# Altium PCB Port Solar Panel 2U.PcbDoc (continued)
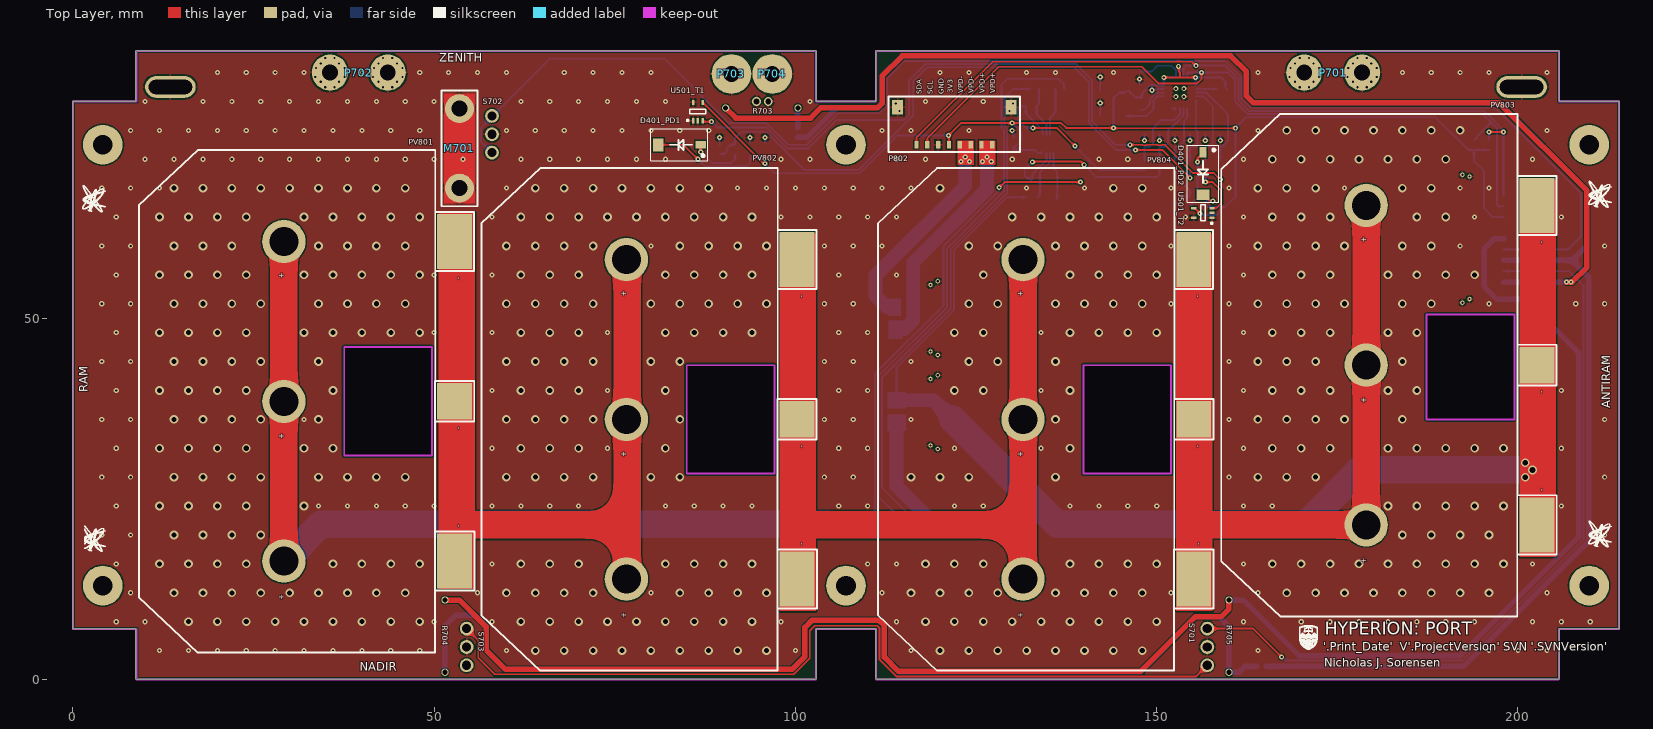
[diagram p0: Top Layer view]
## Part data (continued)
R400_PD1 R400_PD2: library part 17130, "RES SMD 9.09K OHM 1% 1/10W 0603", Manufacturer Part Number=ERJ-3EKF9091V, Power="0.1W, 1/10W", Supplier Part Number 1=P9.09KHCT-ND, Temperature Coefficient=±100ppm/°C, Tolerance=±1%, LatestRevisionDate=29-May-2009, LatestRevisionNote="IPC-7351 Footprint Added.", PackageDescription="Chip Resistor, 2-Leads, Body 1.60x0.80mm, IPC Low Density", PackageReference="0603 (1608 Metric)", Part Number=17130, Published=8-Jun-2000, Publisher="Altium Limited", Supplier 1=Digi-Key, Supplier Link=http://www.digikey.ca/product-search/en?keywords=P9.09KHCT-ND
R401_PD1 R401_PD2: library part 17836, "RES SMD 24K OHM 0.1% 1/10W 0603", Manufacturer Part Number=ERA-3ARB243V, Power="0.1W, 1/10W", Supplier Part Number 1=P24KBDCT-ND, Temperature Coefficient=±10ppm/°C, Tolerance=±0.1%, LatestRevisionDate=29-May-2009, LatestRevisionNote="IPC-7351 Footprint Added.", PackageDescription="Chip Resistor, 2-Leads, Body 1.60x0.80mm, IPC Low Density", PackageReference="0603 (1608 Metric)", Part Number=17836, Published=8-Jun-2000, Publisher="Altium Limited", Supplier 1=Digi-Key, Supplier Link=http://www.digikey.ca/product-search/en?keywords=P24KBDCT-ND
R701 R702: library part 13128, "RES SMD 0.0OHM JUMPER 1/10W 0603", Manufacturer Part Number=ERJ-3GEY0R00V, Power="0.1W, 1/10W", Supplier Part Number 1=P0.0GCT-ND, Temperature Coefficient=-, PackageDescription="Chip Resistor, 2-Leads, Body 1.60x0.80mm, IPC Low Density", PackageReference="0603 (1608 Metric)", Part Number=13128, Supplier 1=Digi-Key, Supplier Link=http://www.digikey.ca/product-search/en?keywords=P0.0GCT-ND, Tolerance=Jumper, Type=Jumper
R703 R704 R705: library part PR-VSH-00317, "21 Ohms ±1% 1W Through Hole Resistor Axial Flame Proof, Moisture Resistant, Safety Metal Film", Manufacturer Part Number=CPF121R000FKEE6, Power - Rated=1W, Supplier Part Number 1=CPF21.0CCT-ND, Temperature Coefficient=±100ppm/°C, Tolerance=±1%, Index=317, LatestRevisionDate=2/27/2020, LatestRevisionNote=..., PackageDescription="Chip Resistor", PackageReference=VSH-CPF1, Part Number=PR-VSH-00317, Published=2/27/2020, Publisher=AlbertaSat, Supplier 1=Digi-key, Supplier Link=#https://www.digikey.ca/product-detail/en/vishay-dale/CPF121R000FKEE6/CPF21.0CCT-ND/2713126#
S701 S702 S703: library part 20035, "SWITCH SNAP ACT SPDT 500MA 30V", Supplier Part Number 1=255-3743-ND, Manufacturer Part Number=AV4424, Part Number=20035, Supplier 1=Digi-Key, Supplier Link=#https://www.digikey.com/product-detail/en/panasonic-electric-works/AV4424/255-3743-ND/646766#
U201: library part PU-ADI-00006, "IC ADC 12BIT SAR 20LFCSP", Manufacturer Part Number=AD7291TCPZ-EP, Supplier Part Number 1=AD7291TCPZ-EP-ND, Index=6, LatestRevisionDate=2019-07-16, LatestRevisionNote=..., PackageDescription="QFN, 20-Leads, Body 4.00x4.00mm, Pitch 0.50mm, Thermal Pad 2.55x2.55mm, IPC Low Density", PackageReference="20-WFQFN Exposed Pad", Part Number=PU-ADI-00006, Published=2019-07-16, Publisher=AlbertaSat, Supplier 1=Digi-key, Supplier 2=Mouser, Supplier Link=#https://www.digikey.ca/products/en?keywords=AD7291TCPZ-EP-ND#, Supplier Part Number 2=584-AD7291TCPZ-EP
U501_T1 U501_T2: library part 136, "LOW-POWER HIGH-ACCURACY ANALOG O", Operating Temperature="-40°C~150°C (TJ)", Supplier Part Number 1=296-TMP235AEDCKRQ1CT-ND, Manufacturer Part Number=TMP235AEDCKRQ1, PackageReference=SC-70-5, Part Number=136, Supplier 1=Digi-Key, Supplier Link=#https://www.digikey.ca/en/products/detail/texas-instruments/TMP235AEDCKRQ1/11308802#

## Free pads (board coordinates)
  oval 7x3 hole 2 slot 6 at 0 deg: 5(13.5,82) 5(200.5,82)
  round 5.5 hole 2.7: CHASSIS(4.15,13) CHASSIS(4.15,74) CHASSIS(107,13) CHASSIS(107,74) CHASSIS(209.85,13) CHASSIS(209.85,74)

## Via types
v1: diameter 1.2, hole 0.7, Top Layer to Bottom Layer, 395 vias
v2: diameter 0.71, hole 0.3, Top Layer to Bottom Layer, tented both sides, 270 vias
v3: diameter 0.7, hole 0.3, Top Layer to Bottom Layer, tented both sides, 52 vias
v4: diameter 0.655, hole 0.3, Top Layer to Bottom Layer, tented both sides, 48 vias
v5: diameter 0.711, hole 0.33, Top Layer to Bottom Layer, tented top, 4 vias
v6: diameter 1.2, hole 0.8, Top Layer to Bottom Layer, tented both sides, 3 vias
v7: diameter 1.2, hole 0.8, Top Layer to Bottom Layer, 2 vias

## Nets (pads, with @x,y where several pads share a name; then routed paths per layer and width w, separated by ;. In a path a pad name is that pad's centre, name@x,y a point inside that pad or via, vN(x,y) a via of type N, cw(c..) or ccw(c..) an arc to the next point about the centre after c; other vN are vias at no path point)
3V3: C203.1 C204.2 C301.2 C401_PD1.2 C401_PD2.2 C501_T1.2 C501_T2.2 D401_PD1.2 D401_PD2.2 OP301.8 P801.7 P802.5 R101.2 R103.2 R104.2 U201.10 U201.11 U201.13 U201.16 U501_T1.4 U501_T2.4 | length 210.8
  Top Layer w0.254: D401_PD1.2 84.5,74 v3(86.5,72) ; U501_T1.4 95.616,71.4 v3(95.8,71.4) ; P802.5 121.25,75.25 v3(121.2,75.3) 122.9,77 v3(130,77) 136.8,77 137.468,76.332 v3(144,76.332) 144.032,76.3 v3(160.9,76.3) ; v3(150.986,83.332) 153.177,83.332 ; v3(153.038,84.863) 153.082,84.82 153.082,84.132 153.209,84.005 153.209,83.364 153.177,83.332 ; U501_T2.4 155.23,65.125 155.375,65.125 v3(156,64.5) ; v3(155.368,83.332) 153.177,83.332 ; D401_PD2.2 156.575,67.071 157.173,66.473 157.173,66.429 157.322,66.28 157.688,66.28 v3(157.768,66.2)
  Bottom Layer w0.254: v3(86.5,72) 87.5,71 93.258,71 93.758,71.5 C401_PD1.2 C501_T1.2@95.836,72.491 ; C501_T1.2 C501_T1.2@95.836,72.491 ; v3(121.2,75.3) 114.139,75.3 108.907,70.068 97.132,70.068 v3(95.8,71.4) 95.8,72.456 C501_T1.2@95.836,72.491 ; v3(130,77) 131.218,75.782 131.218,74.591 130.188,73.561 C301.2 133.119,73.291 133.514,72.896 OP301.8 ; v3(144,76.332) 144,80.422 144.8,81.222 145.556,81.222 C203.1 146.193,81.406 147.043,80.556 C204.2 147.956,80.556 147.956,81.074 149.105,82.222 U201.10 150.986,82.245 v3(150.986,83.332) 152.186,83.332 152.209,83.355 U201.11 ; v3(153.038,84.863) 153.038,84.743 153.209,84.572 U201.13 ; U201.16 155.409,83.291 v3(155.368,83.332) 158.893,83.332 159.512,82.713 R101.2@159.512,81.968 ; v3(156,64.5) 156.121,64.5 156.321,64.3 158.4,64.3 158.812,64.712 C501_T2.2 ; v3(157.768,66.2) 156.873,66.2 156.724,66.051 C401_PD2.2 156.735,65.395 C501_T2.2 ; R101.2 R101.2@159.7,81.7 ; R103.2 R104.2 ; P801.7 197.117,64 197.067,64.05 196.45,64.05 195.3,65.2 195.3,70.4 193.9,71.8 R104.2 ; C501_T2.2 159.512,65.395 160.9,66.784 v3(160.9,76.3) 162.423,77.823 188.577,77.823 193.1,73.3 R104.2
I_buffer_out: OP301.1 R304.2 R310.2 | length 28.1
  Top Layer w0.254: v3(132.854,76.332) 136.188,76.332 v3(138.688,73.832)
  Bottom Layer w0.254: v3(132.854,76.332) 131.877,76.332 130.768,77.441 130.768,78.962 131.14,79.334 R304.2 131.888,78.366 134.238,76.016 OP301.1 ; v3(138.688,73.832) 141.99,70.53 R310.2
NetC201_2: C201.2 U201.8 | length 4.6
  Bottom Layer w0.254: C201.2 148.309,78.856 149.068,79.616 149.068,80.333 149.934,81.199 150.986,81.199 U201.8
NetC202_1: C202.1 U201.7 | length 7.1
  Bottom Layer w0.254: C202.1 148.638,78.006 149.568,78.937 149.568,80.222 150.068,80.722 U201.7
NetD401_PD1_1: D401_PD1.1 R400_PD1.2 | length 7.3
  Top Layer w0.254: v3(86.9,73) D401_PD1.1
  Bottom Layer w0.254: v3(86.9,73) 88.4,71.5 91.152,71.5 91.652,72 R400_PD1.2
NetD401_PD2_1: D401_PD2.1 R400_PD2.2 | length 8.3
  Top Layer w0.254: v3(155.668,71.616) 155.668,72.225 155.816,72.373 156.027,72.373 156.4,72.746 D401_PD2.1
  Bottom Layer w0.254: R400_PD2.2 154.668,65.59 154.916,65.838 154.916,65.888 155.668,66.639 v3(155.668,71.616)
NetOP301_2: OP301.2 R303.2 R304.1 | length 7
  Bottom Layer w0.254: R303.2 133.688,79.634 R304.1 133.388,78.216 134.738,76.866 OP301.2
NetOP301_3: OP301.3 R308.2 R309.1 | length 6.7
  Bottom Layer w0.254: OP301.3 135.238,77.741 135.988,78.491 R308.2
NetOP301_5: OP301.5 R306.2 R307.1 | length 6.7
  Bottom Layer w0.254: OP301.5 135.738,70.741 136.238,70.241 136.238,66.591 R307.1
NetOP301_6: OP301.6 R301.2 R302.1 | length 6.9
  Bottom Layer w0.254: R301.2 133.863,67.095 R302.1 133.863,70.241 135.238,71.616 OP301.6
NetPV801_2: PV801.2 PV802.1 | length 68.2
  Top Layer w3.81: 53,22 53.611,21.389 76.7,21.389 ; PV802.1@76.7,13.625 76.7,21.389 ; PV802.1@76.7,35.735 PV802.1@76.7,35.5 ; PV802.1@76.7,57.611 PV802.1@76.7,35.5 ; 76.7,21.389 PV802.1@76.7,35.5
NetPV802_2: PV802.2 PV804.1 | length 75.5
  Top Layer w3.81: 100.222,21.5 100.333,21.389 131.5,21.389 ; PV804.1@131.5,13.889 131.5,21.389 ; PV804.1@131.5,58.111 131.5,21.389
NetPV803_1: PV803.1 PV804.2 | length 68.4
  Top Layer w3.81: 154.8,21.389 179,21.389 PV803.1@179,65.611
NetR101_1: R101.1 U201.17 | length 2.9
  Bottom Layer w0.254: U201.17 155.418,81.732 R101.1
NetR102_1: R102.1 U201.12 | length 6.3
  Bottom Layer w0.254: R102.1 149.312,84.144 150.1,84.932 152.043,84.932 152.686,84.29 152.686,83.445 U201.12
NetR303_1: R303.1 R305.3 | length 76
  Bottom Layer w0.254: R305.3 118.27,20.23 112,26.5 112,41.8 121.5,51.3 121.5,59.579 129.31,67.389 129.31,76.234 128.95,76.594 128.95,80.54 130.133,81.722 132.476,81.722 R303.1
NetR305_4: R305.4 R308.1 | length 77.9
  Bottom Layer w0.254: R305.4 111.5,25.271 111.5,42.007 121,51.507 121,59.689 128.855,67.544 128.855,76.078 128.518,76.415 128.518,82.351 129.31,83.142 136.388,83.142 137.188,82.342 R308.1
NetR400_PD1_1: R400_PD1.1 R401_PD1.2 R402_PD1.2 | length 88.8
  Top Layer w0.254: v3(147.043,73.291) 150.75,73.291 v3(154.609,69.432)
  Bottom Layer w0.254: R401_PD1.2 90.248,72.748 90.5,73 90.5,73.5 90.997,73.997 R400_PD1.1 91.652,74.952 92.495,75.795 95.991,75.795 98.718,73.068 98.728,73.068 101.296,70.5 108.711,70.5 115.22,77.009 116.3,78.089 116.3,78.216 116.3,80.221 116.3,82.816 118.221,84.737 138.615,84.737 140.6,82.751 140.6,77.029 144.338,73.291 v3(147.043,73.291) ; v3(154.609,69.432) R402_PD1.2
NetR400_PD2_1: R400_PD2.1 R401_PD2.2 R402_PD2.2 | length 7.1
  Bottom Layer w0.254: R402_PD2.2 152.509,69.774 154.618,67.665 R400_PD2.1 154.532,66.804 153.961,66.804 153.072,65.914 152.795,65.914 R401_PD2.2
NetR501_T1_2: R501_T1.2 U501_T1.3 | length 92.3
  Top Layer w0.254: U501_T1.3 87.284,77.2 v3(88.4,77.2) ; v3(146.3,74) 147.974,74 148.037,73.936 148.58,73.936 148.643,74 150.072,74 150.137,73.935 150.68,73.935 150.745,74 151.1,74 155,70.1 157.921,70.1 v3(158.801,69.22)
  Bottom Layer w0.254: v3(88.4,77.2) 89.2,76.4 95.996,76.4 98.896,73.5 101.8,73.5 105.741,77.441 115.041,77.441 115.7,78.1 115.7,80.264 115.7,82.9 117.968,85.168 138.845,85.168 141.068,82.945 141.068,77.223 144.291,74 v3(146.3,74) ; v3(158.801,69.22) R501_T1.2 R501_T1.2@158.851,70.535
NetR501_T2_2: R501_T2.2 U501_T2.3 | length 7.7
  Top Layer w0.254: v3(156.768,68.841) 157.759,68.841 158.9,67.7 158.9,65.9 158.249,65.249 157.693,65.249 U501_T2.3
  Bottom Layer w0.254: R501_T2.2 156.67,70.53 156.768,70.432 v3(156.768,68.841)
NetR701_2: R701.2 R704.2 R705.2 | length 145.4
  Bottom Layer w0.762: R704.2 51.5,7.4 53,8.9 55.6,8.9 57.2,7.3 57.2,4.1 59.9,1.4 99.5,1.4 101.3,3.2 101.3,7.2 102.3,8.2 111.554,8.2 112.3,7.454 112.3,3.084 114.284,1.1 147.8,1.1 155.4,8.7 158.6,8.7 160,7.3 R705.2 161.4,1 162.2,1.8 R701.2
NetR702_2: R702.2 R703.2 | length 2.9
  Bottom Layer w0.254: R702.2@100.3,76.4 R702.2@100.4,76.3
  Bottom Layer w0.762: R702.2 R703.2
NetS701_3: S701.3 S703.2 | length 117.7
  Top Layer w0.254: S703.2 56.1,5.44 56.1,3 58.386,0.714 99.784,0.714 101.986,2.916 101.986,6.746 102.671,7.432 111.329,7.432 111.614,7.146 111.614,2.8 113.982,0.432 155.472,0.432 S701.3
PortKnifeReturn: P801.5 R704.1 R705.1 | length 239.1
  Top Layer w0.762: R704.1 53.5,11 57.2,7.3 57.2,4.1 59.9,1.4 99.5,1.4 101.3,3.2 101.3,7.2 102.3,8.2 111.554,8.2 112.3,7.454 112.3,3.084 114.266,1.118 147.789,1.118 155.372,8.7 158.95,8.7 159.954,9.704 R705.1@159.954,10.954
  Bottom Layer w0.762: R705.1 162,11 169.7,3.3 192,3.3 208.4,19.7 208.4,45.245 201,52.645 197.055,52.645 195.3,54.4 195.3,59.6 196.7,61 P801.5
SCL: P801.8 P802.7 R104.1 U201.15 | length 108.5
  Top Layer w0.254: P802.7 118.25,74.881 128.169,84.8 147.93,84.8 150.23,82.5 155.609,82.5 156.2,83.091 v3(156.2,84)
  Bottom Layer w0.254: U201.15 154.209,83.964 154.232,83.987 v3@156.2,83.987 ; v3(156.2,84) 159.845,84 160.868,82.977 160.868,79.962 162.576,78.255 195.135,78.255 196.295,77.095 ; R104.1 194.025,74.7 194.298,74.973 194.298,75.098 196.295,77.095 ; P801.8 197.266,65.5 197.117,65.649 197.117,76.272 196.295,77.095
SDA: P801.9 P802.8 R103.1 U201.14 | length 107.5
  Top Layer w0.254: P802.8 116.75,74.95 127.3,85.5 152.749,85.5 152.767,85.518 153.31,85.518 153.328,85.5 154.876,85.5 155.418,84.957 v3(155.418,84.945) ; v3(196,75.789) v3(198,75.789)
  Bottom Layer w0.254: U201.14 153.732,83.445 153.732,84.673 154.016,84.957 155.406,84.957 v3(155.418,84.945) ; v3@155.418,84.957 159.498,84.957 161.3,83.156 161.3,80.141 162.755,78.687 195.313,78.687 198,76 v3(198,75.789) P801.9 ; R103.1 v3(196,75.789)
SwitchDeployable_P: P801.2 S701.2 | length 107.9
  Top Layer w0.254: S701.2 163.36,7.04 v3(167.3,3.1)
  Bottom Layer w0.254: v3(167.3,3.1) 167.362,3.1 167.848,2.614 192.284,2.614 209.086,19.416 209.086,54.514 207.1,56.5 P801.2
SwitchUHF_P: P801.4 S702.2 S702.3 | length 199
  Bottom Layer w0.254: S702.3 56.476,74.444 56.476,76.324 58,77.848 S702.2 58.088,78 65.988,85.9 81.909,85.9 90.8,77.009 95.998,77.009 99.004,74.004 101.564,74.004 105.927,78.366 111.593,78.366 112.686,79.459 112.686,83.216 115.07,85.6 115.321,85.6 ; 115.322,85.6 139.024,85.6 159.466,85.6 161.732,83.335 161.732,80.391 163.004,79.118 196.882,79.118 208.7,67.3 208.7,61.3 206.9,59.5 P801.4
UHFKnifeReturn_P: P801.1 R703.1 | length 158.9
  Top Layer w0.762: R703.1 91.75,77.7 102.1,77.7 103.5,79.1 111.357,79.1 112,79.743 112,83.5 114.814,86.314 160.239,86.314 162.418,84.136 162.418,80.782 163.4,79.8 197.4,79.8 209.532,67.668 209.532,57.032 207.5,55 v3(206.7,55)
  Bottom Layer w0.762: P801.1 v3(206.7,55) v3(207.36,55)
V+: PV801.1 R305.1 R306.1 | length 199.2
  Top Layer w0.254: v3(128.2,68.1) 128.941,68.841 v3(139.468,68.841)
  Top Layer w3.81: PV801.1@29.2,16.389 PV801.1@29.2,60.611
  Bottom Layer w0.254: 111,20.665 111,42.3 120.5,51.8 120.5,53.974 120.505,53.979 120.505,55.731 120.5,55.736 120.5,60 128.2,67.7 v3(128.2,68.1) ; R306.1 v3(139.468,68.841)
  Bottom Layer w1.905: 104.5,21.5 109,21.5 109.835,20.665 111,20.665 R305.1@114,20.665
  Bottom Layer w3.81: PV801.1@29.2,16.389 34.311,21.5 104.5,21.5
V-: P804.1 P804.2 PV803.2 R301.1 | length 134.2
  Top Layer w1.27: PV803.2@202.9,44.2 PV803.2@203.15,43.95
  Bottom Layer w0.254: P804.1 114.001,43.19 121.932,51.121 121.932,59.4 129.277,66.745 R301.1
  Bottom Layer w1.905: 114.001,38.5 114.151,38.65 119.1,38.65 121.75,36
  Bottom Layer w3.81: 121.75,36 136.25,21.5 170.611,21.5 178.111,29 201,29
  other v6: 201,28 202,29 201,30
V_buffer_out: OP301.7 R302.2 R311.2 | length 27.5
  Top Layer w0.254: v3(132.788,71.616) 132.854,71.682 139.518,71.682 v3(139.968,71.232)
  Bottom Layer w0.254: v3(132.788,71.616) 131.733,70.561 131.733,69.72 132.07,69.383 132.39,69.383 132.663,69.11 R302.2 132.788,69.22 132.788,69.932 134.738,71.882 OP301.7 ; v3(139.968,71.232) 141.668,69.532 150.009,69.532 150.409,69.932 R311.2
V_out: P804.3 P804.4 R305.2 | length 16.1
  Bottom Layer w1.905: 114,35.5 P804.4 114,26.77 118.435,22.335 R305.2@119.5,22.335
VIN0: C502_T1.2 R501_T1.1 U201.18 | length 12.7
  Bottom Layer w0.254: U201.18 156.882,81.222 159.868,78.236 159.868,74.601 159.546,74.28 159.001,73.734 C502_T1.2 R501_T1.1
VIN1: C502_T2.2 R501_T2.1 U201.19 | length 11.3
  Bottom Layer w0.254: U201.19 156.418,80.722 157.768,79.372 157.768,74.032 157.465,73.73 C502_T2.2 ; R501_T2.1 C502_T2.2
VIN2: C402_PD1.2 R402_PD1.1 U201.20 | length 9.4
  Bottom Layer w0.254: R402_PD1.1 154.609,73.73 155.414,73.73 155.668,73.984 155.668,75.832 155.409,76.091 U201.20
VIN3: C402_PD2.2 R402_PD2.1 U201.1 | length 8.3
  Bottom Layer w0.254: R402_PD2.1 C402_PD2.2 153.123,73.73 153.759,74.366 153.759,77.291 154.209,77.741 U201.1
VIN4: C303.2 R311.1 U201.2 | length 9
  Bottom Layer w0.254: R311.1 C303.2 151.066,73.73 151.584,74.248 151.584,75.977 152.616,77.009 152.687,77.009 153.64,77.962 153.64,78.034 153.709,78.102 U201.2
VIN5: C302.2 R310.1 U201.3 | length 10.7
  Bottom Layer w0.254: R310.1 C302.2 149.057,73.73 149.468,74.141 149.468,76.242 150.667,77.441 152.509,77.441 153.209,78.141 U201.3
VIN6: C201.1 C202.2 C203.2 C204.1 C301.1 C302.1 C303.1 C401_PD1.1 C401_PD2.1 C402_PD1.1 C402_PD2.1 C501_T1.1 C501_T2.1 C502_T1.1 C502_T2.1 M701.1 OP301.4 OP301.9 P701.1 P702.1 P703.1 P704.1 P801.6 P801.M1 P801.M2 P802.6 P802.M1 P802.M2 P803.M1 P803.M2 P804.M1 P804.M2 pad.5 R102.2 R307.2 R309.2 R401_PD1.1 R401_PD2.1 S701.1 S702.1 S703.1 U201.4 U201.5 U201.6 U201.9 U201.21 U501_T1.1 U501_T1.2 U501_T1.5 U501_T2.1 U501_T2.2 U501_T2.5 | length 15.8
  Bottom Layer w0.203: v3(89.5,75) 89.5,74.004 R401_PD1.1 ; v3(93.7,75) 93.758,74.942 C401_PD1.1 ; v3(95.8,75) 95.846,74.954 C501_T1.1 ; v3(130,76) 130.188,75.812 C301.1 ; C202.2 v3(142.191,79.804) ; C203.2 v3(142.191,83.364) ; v3(147.6,83.091) 147.6,82.413 C204.1
  Bottom Layer w0.254: v3(148.309,74.591) C302.1 ; v3(149.354,81.546) 149.468,81.432 149.758,81.722 U201.9 ; v3(150.409,74.589) C303.1@150.409,75.428 ; U201.5 U201.4 ; v3(152.509,74.589) C402_PD2.1@152.509,75.428 ; v3(154.609,74.589) C402_PD1.1@154.609,75.428 ; v3(156.719,74.589) C502_T2.1@156.719,75.428 ; v3(158.801,74.594) C502_T1.1@158.801,75.433
  other v1: 64,4 68,4 72,4 76,4 80,4 84,4 88,4 92,4 96,4 120,4 124,4 128,4 132,4 136,4 140,4 144,4 148,4 16,8 20,8 24,8 28,8 32,8 36,8 40,8 44,8 48,8 62,8 66,8 70,8 74,8 78,8 82,8 86,8 90,8 94,8 118,8 122,8 126,8 130,8 134,8 138,8 142,8 146,8 150,8 14,12 18,12 22,12 26,12 30,12 34,12 38,12 42,12 46,12 60,12 64,12 68,12 72,12 84,12 88,12 92,12 96,12 116,12 120,12 124,12 128,12 136,12 140,12 144,12 148,12 168,12 172,12 176,12 180,12 184,12 188,12 192,12 196,12 12,16 16,16 20,16 24,16 36,16 40,16 44,16 48,16 62,16 66,16 70,16 82,16 86,16 90,16 94,16 118,16 122,16 126,16 138,16 142,16 146,16 150,16 166,16 170,16 174,16 178,16 182,16 186,16 190,16 194,16 198,16 14,20 18,20 22,20 26,20 184,20 188,20 192,20 196,20 12,24 16,24 20,24 24,24 32,24 182,24 186,24 190,24 194,24 198,24 14,28 18,28 22,28 26,28 34,28 38,28 42,28 46,28 60,28 64,28 68,28 72,28 80,28 84,28 116,28 120,28 124,28 136,28 164,28 168,28 172,28 12,32 16,32 20,32 24,32 32,32 36,32 62,32 66,32 70,32 82,32 138,32 166,32 170,32 174,32 182,32 186,32 190,32 194,32 198,32 14,36 18,36 22,36 26,36 34,36 60,36 64,36 68,36 72,36 84,36 136,36 164,36 168,36 172,36 176,36 184,36 12,40 16,40 20,40 24,40 36,40 62,40 66,40 70,40 82,40 122,40 126,40 138,40 166,40 170,40 174,40 182,40 186,40 14,44 18,44 22,44 26,44 34,44 60,44 64,44 68,44 72,44 80,44 84,44 124,44 128,44 136,44 164,44 168,44 172,44 184,44 12,48 16,48 20,48 24,48 32,48 36,48 40,48 44,48 48,48 62,48 66,48 70,48 82,48 86,48 90,48 94,48 122,48 126,48 138,48 142,48 146,48 150,48 166,48 170,48 174,48 182,48 186,48 14,52 18,52 22,52 26,52 34,52 38,52 42,52 46,52 60,52 64,52 68,52 72,52 80,52 84,52 88,52 92,52 96,52 124,52 128,52 136,52 140,52 144,52 148,52 164,52 168,52 172,52 176,52 184,52 188,52 12,56 16,56 20,56 24,56 32,56 36,56 40,56 44,56 48,56 62,56 66,56 70,56 82,56 86,56 90,56 94,56 126,56 138,56 142,56 146,56 150,56 166,56 170,56 174,56 182,56 186,56 190,56 194,56 14,60 18,60 22,60 34,60 38,60 42,60 46,60 60,60 64,60 68,60 72,60 84,60 88,60 92,60 96,60 124,60 128,60 136,60 140,60 144,60 148,60 164,60 168,60 172,60 176,60 184,60 188,60 12,64 16,64 20,64 24,64 32,64 36,64 40,64 44,64 48,64 62,64 66,64 70,64 74,64 78,64 82,64 86,64 90,64 94,64 130,64 134,64 138,64 142,64 146,64 150,64 166,64 170,64 174,64 186,64 190,64 14,68 18,68 22,68 26,68 30,68 34,68 38,68 42,68 46,68 64,68 68,68 72,68 76,68 80,68 84,68 88,68 120,68 144,68 148,68 164,68 168,68 172,68 184,68 188,68 166,72 170,72 174,72 178,72 182,72 186,72 190,72 168,76 172,76 176,76 180,76 184,76 188,76 192,76
  other v2: 12,4 16,4 20,4 24,4 28,4 32,4 36,4 40,4 44,4 48,4 60,4 100,4 116,4 164,4 196,4 200,4 204,4 6,8 10,8 50,8 58,8 98,8 114,8 162,8 170,8 174,8 178,8 182,8 186,8 190,8 194,8 202,8 206,8 210,8 8,12 56,12 80,12 112,12 152,12 164,12 204,12 6,16 58,16 110,16 114,16 162,16 202,16 4,20 8,20 212,20 6,24 34,24 38,24 42,24 46,24 50,24 58,24 62,24 66,24 70,24 82,24 86,24 90,24 94,24 106,24 110,24 122,24 126,24 138,24 142,24 146,24 150,24 162,24 166,24 206,24 4,28 8,28 104,28 108,28 160,28 212,28 6,32 58,32 74,32 106,32 110,32 122,32 134,32 162,32 206,32 4,36 8,36 32,36 104,36 108,36 116,36 160,36 212,36 6,40 58,40 74,40 106,40 110,40 134,40 162,40 206,40 4,44 8,44 104,44 108,44 116,44 160,44 212,44 6,48 50,48 58,48 74,48 106,48 110,48 134,48 162,48 4,52 8,52 104,52 108,52 152,52 160,52 196,52 208,52 212,52 6,56 50,56 58,56 106,56 114,56 162,56 4,60 8,60 80,60 104,60 108,60 112,60 152,60 160,60 192,60 212,60 6,64 58,64 98,64 102,64 106,64 110,64 114,64 154,64 162,64 194,64 206,64 4,68 8,68 12,68 60,68 92,68 96,68 100,68 104,68 108,68 112,68 116,68 132,68 140,68 152,68 160,68 176,68 192,68 196,68 212,68 10,72 14,72 18,72 22,72 26,72 30,72 34,72 38,72 42,72 46,72 50,72 54,72 62,72 66,72 70,72 74,72 78,72 82,72 98,72 102,72 114,72 118,72 130,72 142,72 146,72 162,72 202,72 8,76 12,76 16,76 20,76 24,76 28,76 32,76 36,76 40,76 44,76 48,76 60,76 64,76 68,76 72,76 76,76 80,76 84,76 88,76 112,76 116,76 124,76 164,76 204,76 10,80 18,80 22,80 26,80 30,80 34,80 38,80 42,80 46,80 50,80 62,80 66,80 70,80 74,80 78,80 82,80 102,80 118,80 126,80 20,84 24,84 28,84 32,84 40,84 48,84 52,84 56,84 60,84 68,84 72,84 76,84 80,84 120,84 124,84 132,84 136,84 144,84 164,84 184,84 188,84 192,84 196,84 204,84
  other v4: 34.94,81.968 36.21,81.968 42.94,81.968 44.21,81.968 169.79,81.968 171.06,81.968 177.79,81.968 179.06,81.968 34.305,82.73 36.845,82.73 42.305,82.73 44.845,82.73 169.155,82.73 171.695,82.73 177.155,82.73 179.695,82.73 33.543,83.365 37.607,83.365 41.543,83.365 45.607,83.365 168.393,83.365 172.457,83.365 176.393,83.365 180.457,83.365 33.67,84.635 37.607,84.635 41.67,84.635 45.607,84.635 168.52,84.635 172.457,84.635 176.52,84.635 180.457,84.635 34.305,85.27 36.845,85.27 42.305,85.27 44.845,85.27 169.155,85.27 171.695,85.27 177.155,85.27 179.695,85.27 34.94,86.032 36.21,86.032 42.94,86.032 44.21,86.032 169.79,86.032 171.06,86.032 177.79,86.032 179.06,86.032
  other v5: 152.659,80.672 153.759,80.672 152.659,81.772 153.759,81.772
  other v7: 94.615,80 96.25,80
VKnife: P801.3 R701.1 R702.1 | length 237.4
  Bottom Layer w0.762: R702.1 101.641,75.05 105.691,79.1 111.357,79.1 112,79.743 112,83.5 114.814,86.314 160.239,86.314 162.418,84.136 162.418,80.787 163.4,79.804 197.428,79.804 209.532,67.7 209.532,60.032 207.5,58 ; R701.1 192.44,1.8 209.772,19.132 209.772,55.728 207.5,58 ; P801.3 207.5,58
VPortD+: P802.1 P802.2 P803.3 P803.4 | length 29.3
  Bottom Layer w1.905: 114.3,48.5 115.1,48.5 116.3,49.7 116.3,57.7 126.5,67.9 v3(126.5,72.3)
  other v3: 125.9,71.7 127.1,71.7
VPortD-: P802.3 P802.4 P803.1 P803.2 | length 26.9
  Bottom Layer w1.905: 113.5,51.5 112.7,51.5 111.1,53.1 111.1,55.9 123.5,68.3 123.5,71.824
  other v3: 122.9,71.7 124.1,71.7 123.5,72.3
pads on no net: S703.3

## Polygon pours and split planes (outlines as drawn)
VIN6 on Bottom Layer "NONET_L04_P-001" (solid, remove dead copper, pour order 0): -0.8,0 -0.8,89.5 1.4,91.7 208.3,91.7 217.6,82.4 217.6,0
VIN6 on Top Layer "NONET_L04_P-001" (solid, remove dead copper, pour order 3): -0.55,0.4 -0.55,89.9 1.65,92.1 208.55,92.1 217.85,82.8 217.85,0.4

## Keep-outs
Bottom Layer:
  rectangle: 138.688,44 141.262,86.548
  rectangle: 138.688,0.5 141.132,28
  region: 88.1,86.5 76.6,86.5 76.6,61.5 76.8,61.3 78.2,61.3 80,59.5 80,56.4 79.9,56.4 77.5,54 76.6,54 76.6,40.4 78,39 79.1,39 80.2,37.9 80.2,34.3 77.4,31.5 76.6,31.5 76.6,19.7 80.3,16 80.3,12.3 76.5,8.5 76.5,0.6 88,0.6 88,28 85,28 84.5,28.5 84.5,44 88.1,44
Keep-Out Layer:
  lines w0.254: 205.7,7 205.7,0.1 205.6,0 111.15,0 111.15,7 102.85,7 102.85,0 8.8,0 8.8,7 0,7 0,80 8.8,80 8.8,87 102.85,87 102.85,80 111.15,80 111.15,87 205.7,87 205.7,80 214,80 214,7 205.827,7 ; 37.55,31 49.7,31 49.7,46 37.55,46 37.55,31 ; 84.95,28.5 97.1,28.5 97.1,43.5 84.95,43.5 84.95,28.5 ; 139.85,28.5 152,28.5 152,43.5 139.85,43.5 139.85,28.5 ; 187.35,36 199.5,36 199.5,50.5 187.35,50.5 187.35,36

## Other copper
Top Layer:
  region net V-: 205.25,69.2 200.2,69.2 200.2,16.95 205.25,16.95
  region net NetPV803_1: 157.75,61.7 152.7,61.7 152.7,9.45 157.75,9.45
  region net NetPV802_2: 102.85,61.7 97.8,61.7 97.8,9.45 102.85,9.45
  region net NetPV801_2: 55.65,64.6 50.6,64.6 50.6,12.5 55.65,12.5
  region net VPortD+: 127.7,71.2 127.7,74.6 125.4,74.6 125.4,71.2
  region net VPortD-: 124.7,71.2 124.7,74.6 122.4,74.6 122.4,71.2
Bottom Layer:
  rectangle net VPortD+: 112.9,47.1 114.8,49.7
  rectangle net VPortD-: 112.9,50.3 114.6,52.7
  rectangle net V_out: 112.749,34.4 115.299,36.7
  rectangle net V-: 112.75,37.5 115.3,39.8

## Silkscreen, mask and mechanical layers (free items; w line width, h text height)
Top Overlay:
  drawing of 4304 lines, arcs and shapes, not listed
  text "ZENITH" at 50.7,85.1 h2
  text "3V3" at 121.77,81.1 h0.7 r90
  text "VPD-" at 123.24,81.1 h0.7 r90
  text "VPD-" at 124.71,81.1 h0.7 r90
  text "VPD+" at 126.18,81.1 h0.7 r90
  text "VPD+" at 127.65,81.1 h0.7 r90
  text "SDA" at 117.5,81 h0.7 r90
  text "SCL" at 119,81 h0.7 r90
  text "GND" at 120.5,81 h0.7 r90
  text "RAM" at 2.458,39.725 h2 r90
  text "ANTIRAM" at 213.2,37.56 h2 r90
  text "HYPERION: PORT" at 173.24,5.578 h3
  text "'.Print_Date'  V'.ProjectVersion' SVN '.SVNVersion'" at 173.067,3.566 h2
  text "Nicholas J. Sorensen" at 173.215,1.34 h2
  text "NADIR" at 39.686,0.827 h2
Bottom Overlay:
  text "ZENITH" at 60.4,85.1 h2
  text "SDA" at 202.066,66.9 h0.7
  text "SCL" at 202.066,65.3 h0.7
  text "3V3" at 202.066,63.9 h0.7
  text "GND_OBC" at 204.865,62.417 h0.7
  text "PortKnifeReturn" at 210.097,60.7 h0.7
  text "SwitchUHF_P" at 207.431,59.417 h0.7
  text "VKnife" at 203.932,57.9 h0.7
  text "SwitchDeployable_P" at 212.096,56.533 h0.7
  text "UHFKnifeReturn_P" at 210.813,54.917 h0.7
  text "VP-" at 112,51.9 h0.7
  text "VP-" at 112,50.47 h0.7
  text "ANTIRAM" at 213.2,49.44 h2 r90
  text "VP+" at 112,49 h0.7
  text "VP+" at 112,47.53 h0.7
  text "RAM" at 2.458,47.275 h2 r90
  text "VPD-" at 112,38.7 h0.7
  text "VPD-" at 112,37.27 h0.7
  text "VPD+" at 112,35.8 h0.7
  text "VPD+" at 112,34.33 h0.7
  text "NADIR" at 49.386,0.827 h2
Mechanical 1:
  lines w0.254: 205.7,0 111.15,0 111.15,7 102.85,7 102.85,0 8.8,0 8.8,7 0,7 0,80 8.8,80 8.8,87 102.85,87 102.85,80 111.15,80 111.15,87 205.7,87 205.7,80 214,80 214,7 205.7,7 205.7,0.127 ; 37.55,31 37.55,46 49.7,46 49.7,31 37.55,31 ; 84.95,28.5 84.95,43.5 97.1,43.5 97.1,28.5 84.95,28.5 ; 139.85,28.5 139.85,43.5 152,43.5 152,28.5 139.85,28.5 ; 187.35,36 187.35,50.5 199.5,50.5 199.5,36 187.35,36

## Text inside footprints (layer, text, board x,y; h text height)
PV801: Top Overlay "-" at 53.2,55.645 h0.7 r270; Top Overlay "-" at 53.2,34.944 h0.7 r270; Top Overlay "-" at 53.228,21.406 h0.7 r270; Top Overlay "+" at 28.565,56.28 h0.7 r270; Top Overlay "+" at 28.565,34.055 h0.7 r270; Top Overlay "+" at 28.565,11.83 h0.7 r270
PV802: Top Overlay "-" at 100.6,53.145 h0.7 r270; Top Overlay "-" at 100.6,32.444 h0.7 r270; Top Overlay "-" at 100.628,18.906 h0.7 r270; Top Overlay "+" at 75.965,53.78 h0.7 r270; Top Overlay "+" at 75.965,31.555 h0.7 r270; Top Overlay "+" at 75.965,9.33 h0.7 r270
PV803: Top Overlay "+" at 178.365,16.83 h0.7 r270; Top Overlay "+" at 178.365,39.055 h0.7 r270; Top Overlay "+" at 178.365,61.28 h0.7 r270; Top Overlay "-" at 203.028,26.406 h0.7 r270; Top Overlay "-" at 203,39.944 h0.7 r270; Top Overlay "-" at 203,60.645 h0.7 r270
PV804: Top Overlay "+" at 130.865,9.33 h0.7 r270; Top Overlay "+" at 130.865,31.555 h0.7 r270; Top Overlay "+" at 130.865,53.78 h0.7 r270; Top Overlay "-" at 155.528,18.906 h0.7 r270; Top Overlay "-" at 155.5,32.444 h0.7 r270; Top Overlay "-" at 155.5,53.145 h0.7 r270